# Altium PCB 平衡小车主板PCB.PcbDoc (continued)
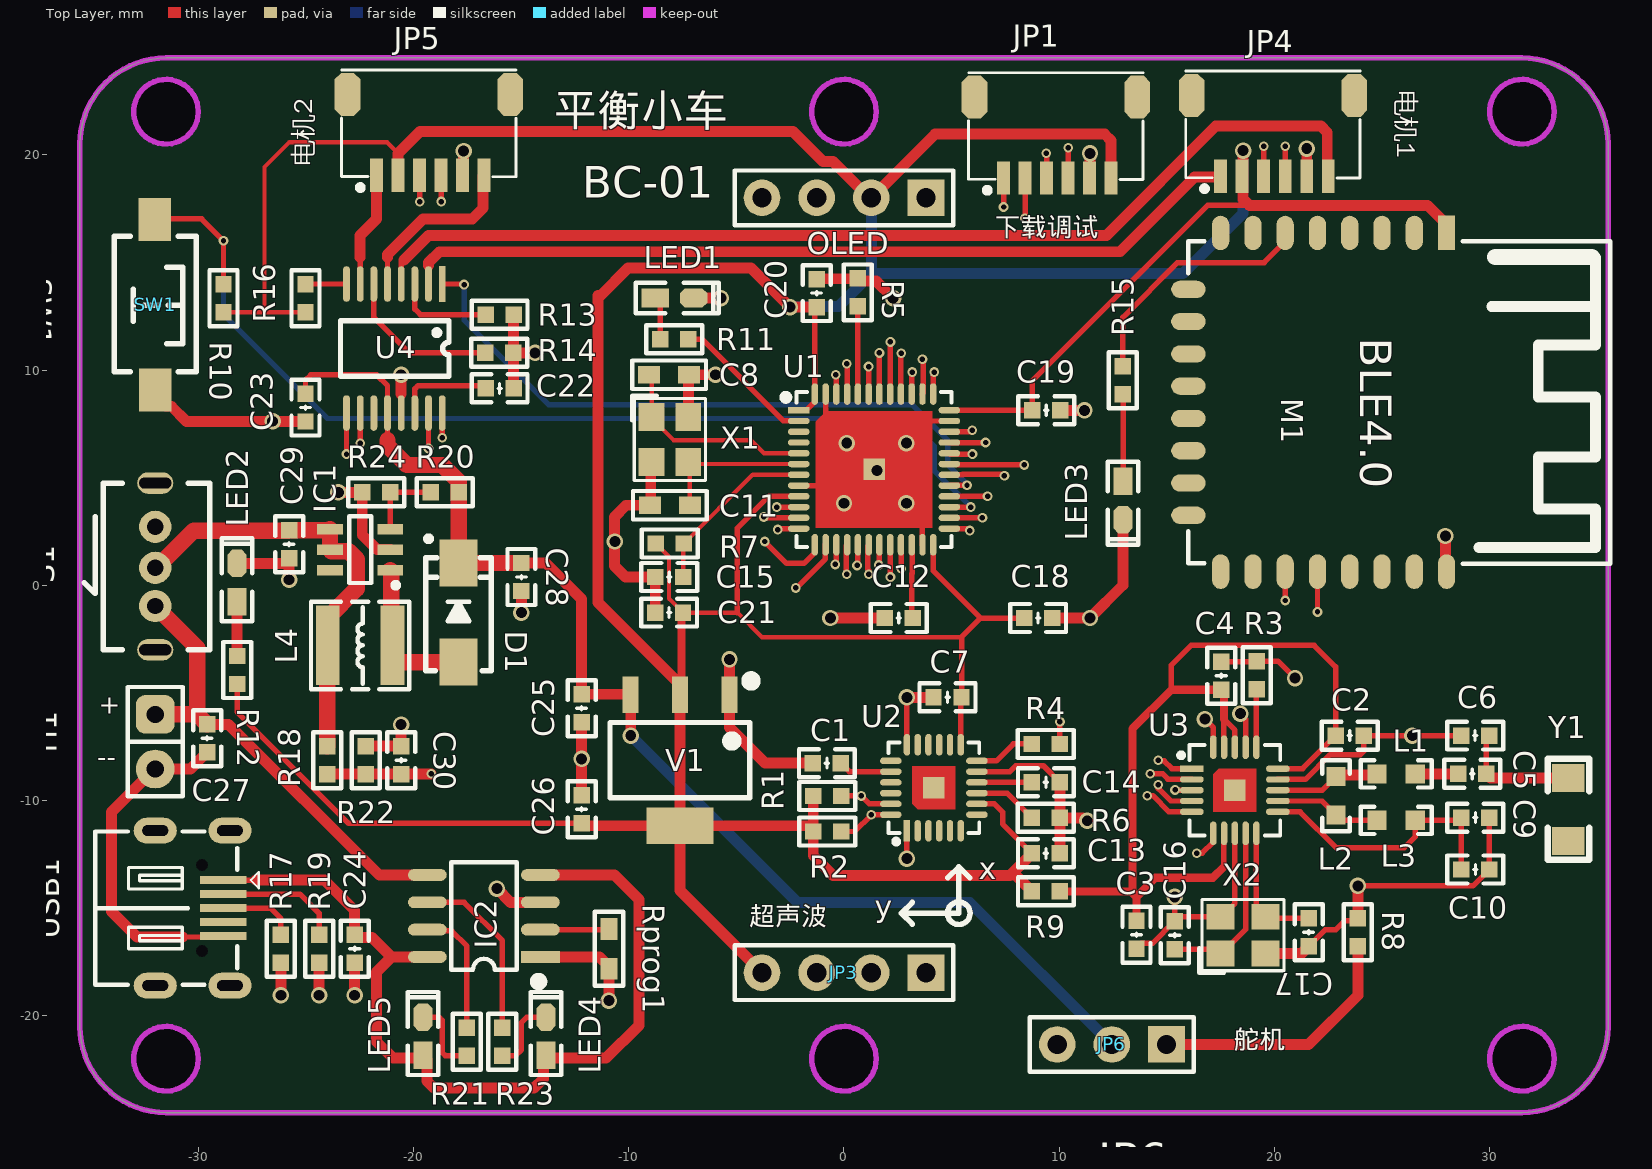
[diagram p0: Top Layer view]
## Footprints (in the part's own frame and the unit in brackets; to place one, negate y for a bottom-side part, rotate by r counter-clockwise, add the part's x,y. Pads: shape width x height; smd on the part's side, far side on the other; paste and mask are expansions set on the pad) (continued)
  silkscreen extent -3.6,-4.25 3.6,3.6, body extent -3.51,-3.51 3.51,3.51, height 0.95
"R 0603_L" [mil] "1/10W贴片电阻                 淘宝ID:黄晶宝石"
  rect 30x30 smd: 1(-25.59,0) 2(25.59,0)
  silkscreen extent -51,-26 51,26, body extent -31,-16 32,16, height 16
"R 0603_M" [mil] "1/10W贴片电阻                             淘宝ID:黄晶宝石"
  rect 40x31.5 smd: 1(-36.5,0) 2(36.5,0)
  silkscreen extent -68,-26 68,26, body extent -31,-16 32,16, height 16
SH1.0-6P [mm]
  rect 0.6x1.55 smd: 1(0,0) 2(1,0) 3(2,0) 4(3,0) 5(4,0) 6(5,0)
  oct 1.2x2 smd: A(-1.346,3.759) B(6.21,3.759)
  silkscreen extent -1.63,-0.7 6.48,4.89
SMA [mm] "4.5x2.6*2.2mm（长宽高，不包括引脚）"
  rect 2.2x1.75 smd: 1(-2.3,0) 2(2.3,0)
  silkscreen extent -2.7,-1.52 3.56,1.52, body extent -2.53,-1.3 2.58,1.3, height 2.15
SOP8_N [mm] "5*6*1.8mm（长宽高）封装库来自淘宝卖家 ID：黄晶宝石"
  rect 1.8x0.55 smd: 1(-2.625,1.905)
  oval 1.8x0.55 smd: 2(-2.625,0.635) 3(-2.625,-0.635) 4(-2.625,-1.905) 5(2.625,-1.905) 6(2.625,-0.635) 7(2.625,0.635) 8(2.625,1.905)
  silkscreen extent -2.69,-2.5 1.52,3.2, body extent -3,-2.5 3,2.5, height 1.9
SOT23-6N [mm] "3x1.6x1.1mm(长宽高)"
  rect 0.5x1.2 smd: 1(-0.95,-1.4) 2(0,-1.4) 3(0.95,-1.4) 4(0.95,1.4) 5(0,1.4) 6(-0.95,1.4)
  silkscreen extent -1.78,-1.78 1.55,0.51, body extent -1.5,-1.4 1.5,1.4, height 1.15
SOT223_L [mm] "6.4x7x1.6mm(长宽高)"
  rect 0.75x1.7 smd: 1(-2.3,-3.048) 2(0,-3.048) 3(2.3,-3.048)
  rect 3.1x1.7 smd: 2(0,3.048)
  silkscreen extent -3.5,-3.88 3.25,1.75, body extent -3.25,-3.51 3.25,3.51, height 1.65
SWITCH_PWR [mm]
  round 1.5 hole 0.75: 1(0,-2.032) 2(0,-3.81) 3(0,-5.715)
  oval 1.676x1 hole 0.5 slot 1.5 at 0 deg: ""(0,0) ""(0,-7.747)
  silkscreen extent -2.54,-7.75 2.41,0, body extent -1.85,-8.06 1.85,0.44, height 6.5
TSSOP-16 [mil] "4.96x4.40x1.00 e=0.65  封装库来自淘宝卖家 ID：黄晶宝石"
  rect 65x12.5 smd: 1(0,0)
  oval 65x12.5 smd: 2(0,-25) 3(0,-50) 4(0,-75) 5(0,-100) 6(0,-125) 7(0,-150) 8(0,-175) 9(236,-175) 10(236,-150) 11(236,-125) 12(236,-100) 13(236,-75) 14(236,-50) 15(236,-25) 16(236,0)
  silkscreen extent 68,-186 169,13, body extent -6,-187 246,9, height 41
"TSW SMD-3*6*2.5" [mm] "3*6*2.5mm"
  rect 2x1.5 smd: 1(-3.996,-0.02) 2(3.937,0)
  silkscreen extent -3.21,-1.9 3.09,1.9, body extent -4,-1.88 4,1.62, height 2.59
USB-MICRO_D [mm] "micro型USB ，6.7*7.5*2.5mm"
  oval 1.2x2 hole 0.5 slot 1.2 at 90 deg: 0(-3.6,3.47) 0(-3.6,0) 0(3.6,3.47) 0(3.6,0)
  round 0 hole 0.55 unplated: 0(-2,2.17) 0(2,2.17)
  rect 0.381x2.15 smd: 1(-1.3,3.16) 2(-0.65,3.16) 3(0,3.16) 4(0.65,3.16) 5(1.3,3.16)
  silkscreen extent -3.56,-2.79 3.56,4.81, body extent -3.99,-2.75 3.99,3.95, height 2.79

## Part data
C1 C7 C8 C11 C12 C13 C14 C15 C18 C19 C20 C21 C22 C23 C24 C25 C26 C27 C28 C29 C30: library part C, "贴片电容", BOM名称=无极性贴片电容, 联系售后=https://shop463601444.taobao.com, 淘宝ID="封装库来自淘宝 ID：黄晶宝石"
D1: "肖特基二极管", BOM名称=肖特基二极管, 封装库来自淘宝 ID：黄晶宝石=https://shop463601444.taobao.com, 属性=40V/1A
H1: "引线焊盘", BOM名称=引线焊盘, 版权归属="封装库来自淘宝 ID：黄晶宝石", 学习资源=https://shop463601444.taobao.com
IC1: "可调升压芯片", BOM名称=可调升压芯片, 版权归属="封装库来自淘宝 ID：黄晶宝石", 学习资源=www.ooocke.com
IC2: "锂电池充电管理", BOM名称=锂电池充电管理, 淘宝ID="封装库来自淘宝 ID：黄晶宝石", 学习资源=https://shop463601444.taobao.com
JP1 JP4 JP5: library part "Header 6", "6P接插件", BOM名称=6P接插件, 版权归属="封装库来自淘宝 ID：黄晶宝石", 学习资源=https://shop463601444.taobao.com
JP3 OLED: library part "Header 4", "4P接插件", BOM名称=4P接插件, 版权归属="封装库来自淘宝 ID：黄晶宝石", 学习资源=https://shop463601444.taobao.com
JP6: library part "Header 3", "3P接插件", BOM名称=3P接插件, 版权归属="封装库来自淘宝 ID：黄晶宝石", 学习资源=https://shop463601444.taobao.com
L1 L2 L3: library part Inductor_1, "电感", Code_IEC=1005, Code_JEITA=0402, LatestRevisionDate=17-Jul-2002, LatestRevisionNote="Re-released for DXP Platform.", PackageReference=0402-A, Published=8-Jun-2000, Publisher="Altium Limited"
L4: library part L-NR, "NR磁胶电感", BOM名称=NR磁胶电感, 版权归属="来自淘宝 ID：黄晶宝石", 联系售后=https://shop463601444.taobao.com
LED1 LED2 LED3 LED4 LED5: library part LED-SMD, "贴片LED", BOM名称=贴片LED, 版权归属="封装库来自淘宝 ID：黄晶宝石", 学习资源=https://shop463601444.taobao.com
M1: "蓝牙4.0透传模块", BOM名称=蓝牙4.0透传模块, 版权归属="封装库来自淘宝 ID：黄晶宝石", 学习资源=https://shop463601444.taobao.com
R1 R2 R4 R5 R6 R7 R10 R11 R12 R13 R14 R15 R16 R17 R18 R19 R20 R21 R22 R23 R24 Rprog1: library part R, "贴片电阻", BOM名称=贴片电阻, 版权归属="来自淘宝 ID：黄晶宝石", 联系售后=https://shop463601444.taobao.com
S1: library part SSW-1P, "1路波动开关", BOM名称=波动开关, 版权归属="封装库来自淘宝 ID：黄晶宝石", 学习资源=www.ooocke.com
SW1: library part "TSW 3x6", "3x6轻触开关", BOM名称=3x6轻触开关, 版权归属="封装库来自淘宝 ID：黄晶宝石", 学习资源=www.ooocke.com
U3: library part nRF24L01
U4: "DRV8833电机驱动芯片2.7v-10.8v"
USB1: "微型USB母座", BOM名称=微型USB母座, 学习资源=https://shop463601444.taobao.com
V1: library part AMS1117, "三端稳压芯片", BOM名称=稳压芯片, 欢迎光临淘宝店铺=https://shop463601444.taobao.com, 淘宝ID="封装库来自淘宝 ID：黄晶宝石"
X1 X2: library part XTAL-4P, "4脚无源晶振", BOM名称=4脚无源晶振, 版权归属=源创客, 学习资源=www.ooocke.com
Y1: library part CHIP_ANTENNA
C2 C3 C4 C5 C6 C9 C10 C16 C17: LatestRevisionDate=17-Jul-2002, LatestRevisionNote="Re-released for DXP Platform.", PackageDescription="Radial Cap, Thru-Hole; 2 Leads; 0.3 in Pin Spacing", PackageReference=RAD-0.3, Published=8-Jun-2000, Publisher="Altium Limited"
R3 R8 R9: LatestRevisionDate=17-Jul-2002, LatestRevisionNote="Re-released for DXP Platform.", PackageDescription="Axial Device, Thru-Hole; 2 Leads; 0.4 in Pin Spacing", PackageReference=AXIAL-0.4, Published=8-Jun-2000, Publisher="Altium Limited"

## Via types
v1: diameter 0.45, hole 0.254, Top Layer to Bottom Layer, tented both sides, 57 vias
v2: diameter 0.762, hole 0.508, Top Layer to Bottom Layer, tented both sides, 42 vias

## Nets (pads, with @x,y where several pads share a name; then routed paths per layer and width w, separated by ;. In a path a pad name is that pad's centre, name@x,y a point inside that pad or via, vN(x,y) a via of type N, cw(c..) or ccw(c..) an arc to the next point about the centre after c; other vN are vias at no path point)
+6V: C23.1 C25.2 C28.2 D1.2 JP6.2 R20.2 U4.12 V1.3 | length 58.7
  Top Layer w0.254: C23.1 -25.019,9.525 -24.765,9.779 -21.717,9.779 -21.209,9.271 -21.209,6.731
  Top Layer w0.508: C28.2 -13.858,1.031 -12.192,-0.635 C25.2 -9.935,-5.065 V1.3 -9.906,-5.094 v2(-9.906,-6.985)
  Top Layer w0.762: -21.209,6.731 -21.209,6.477 -20.32,5.588 -18.669,5.588 -17.892,4.811 R20.2 -17.907,4.303 D1.2 D1.2 C28.2
  Bottom Layer w0.508: v2(-9.906,-6.985) -2.159,-14.732 5.842,-14.732 JP6.2
A1: JP4.3 U1.40 | length 25
  Top Layer w0.254: U1.40 2.647,10.775 v1(2.657,10.785) v1@2.667,10.795 ; JP4.3 v1(19.5,20.389)
  Layer 2 w0.254: v1(2.657,10.785) 6.223,14.351 10.296,14.351 17.154,21.209 19.056,21.209 19.5,20.764 v1(19.5,20.389)
A2: JP5.3 U1.42 | length 32.1
  Top Layer w0.254: v1(-19.717,17.812) JP5.3 ; U1.42@1.647,8.881 1.647,10.791 v1@1.651,10.795
  Layer 2 w0.254: v1(-19.717,17.812) -19.717,20.415 -18.542,21.59 -15.621,21.59 -10.033,16.002 -3.564,16.002 v1(1.647,10.791)
ADC: C30.2 R18.1 R22.2 U1.14 | length 27.9
  Top Layer w0.254: v1(-2.247,-0.127) -2.208,-0.127 -0.862,1.219 -0.862,1.872 U1.14
  Top Layer w0.508: R18.1 C30.2 -19.192,-8.778 v1(-19.177,-8.763)
  Layer 2 w0.254: v1(-19.177,-8.763) -11.938,-1.524 -3.644,-1.524 v1(-2.247,-0.127)
B1: JP4.4 U1.41 | length 27.5
  Top Layer w0.254: U1.41 2.151,8.885 2.151,11.295 v1(2.159,11.303) ; v1@20.447,20.447 v1(20.5,20.394) JP4.4
  Layer 2 w0.254: v1(2.159,11.303) 5.842,14.986 10.033,14.986 16.764,21.717 19.939,21.717 20.5,21.156 v1(20.5,20.394)
B2: JP5.4 U1.43 | length 29.8
  Top Layer w0.254: v1(-18.717,17.828) JP5.4 ; v1(1.143,10.16) 1.147,10.156 U1.43
  Layer 2 w0.254: v1(-18.717,17.828) -18.717,20.399 -18.03,21.086 -15.83,21.086 -10.242,15.498 -4.15,15.498 1.143,10.205 v1(1.143,10.16)
BAT1: C27.2 H1.1 IC2.5 S1.1 | length 21.6
  Top Layer w0.508: C27.2 -28.59,-6.462 -21.59,-13.462 IC2.5
  Top Layer w0.762: H1.1 -30.053,-6 ; S1.1 -30.053,-2.915 -30.053,-6 ; C27.2 -30.053,-6
D+: R17.2 U1.33 | length 47.7
  Top Layer w0.254: U1.33 4.901,6.627 6.573,6.627 v1(6.577,6.631)
  Top Layer w0.508: v2@-26.162,-18.923 R17.2
  Layer 1 w0.254: v2(-26.162,-19.05) -26.162,-16.891 -14.537,-5.266 -9.711,-5.266 -2.218,2.227 -0.44,2.227 3.96,6.627 6.573,6.627 v1(6.577,6.631)
D-: R19.2 U1.32 | length 45.3
  Top Layer w0.254: U1.32 4.932,6.096 v1(5.969,6.096)
  Top Layer w0.508: v2(-24.384,-19.05) R19.2
  Layer 1 w0.254: v2(-24.384,-19.05) -24.384,-15.748 -14.351,-5.715 -9.525,-5.715 -2.032,1.778 -0.254,1.778 4.064,6.096 v1(5.969,6.096)
Echo: JP3.3 U1.25 | length 24.5
  Top Layer w0.254: U1.25 4.906,2.622 5.707,2.622 5.789,2.54 v1(5.842,2.54)
  Layer 2 w0.254: JP3.3 -1.234,-18 5.842,-10.924 v1(5.842,2.54)
GND: C1.1 C7.2 C8.2 C11.2 C12.2 C13.1 C14.1 C15.1 C18.1 C19.1 C20.1 C21.1 C22.1 C23.2 C24.1 C25.1 C26.1 C27.1 C28.1 C29.1 C30.1 H1.2 IC1.2 IC2.1 IC2.3 JP1.5 JP3.1 JP4.5 JP5.5 JP6.1 LED1.2 LED2.2 LED3.2 M1.24 OLED.1 R5.1 R6.2 R8.1 R13.2 R14.2 R22.1 R24.1 Rprog1.1 SW1.2 U1.8 U1.23 U1.35 U1.47 U1.49 U2.1 U2.11 U2.18 U4.13 USB1.5 V1.1 X1.2 X1.4 | length 130.1
  Top Layer w0.254: -30.734,-16.344 -28.884,-16.344 USB1.5 ; U4.13 -20.574,8.89 ; U1.8 -0.83,4.631 -0.762,4.699 ; U1.47 -0.853,7.711 -0.508,7.366 ; v2(2.921,-12.7) 2.921,-11.414 U2.1 ; v2(2.921,-5.207) 2.921,-6.35 2.925,-6.354 U2.18 ; 3.302,3.81 3.647,3.465 U1.23 ; 3.302,7.239 3.694,7.631 U1.35 ; U2.11 7.706,-8.66 7.984,-8.382 9.258,-8.382 C14.1
  Top Layer w0.508: SW1.2 -32,8.813 -31.504,8.317 -31.254,8.317 -30.542,7.605 C23.2 ; -30.734,-16.344 -32.854,-16.344 -34.036,-15.162 -34.036,-10.541 -32.035,-8.54 H1.2 -30.369,-8.54 C27.1 ; LED2.2 -26.02,1.016 C29.1 v2(-25.781,0.254) ; v2(-23.495,4.318) R24.1 -22.382,2.336 -21.701,1.655 -21.083,1.655 IC1.2 ; v2(-22.733,-19.05) C24.1 ; R22.1 C30.1 v2(-20.574,-6.477) ; -20.574,8.89 v2(-20.574,9.779) ; JP5.5 -17.671,19.096 v2(-17.671,20.175) v2@-17.653,20.193 ; v2(-16.129,-14.097) -15.494,-14.732 IC2.3 ; R14.2 R14.2@-15.352,10.795 ; C22.1 R14.2@-15.352,10.795 ; R13.2 R14.2@-15.352,10.795 ; v2(-14.986,-1.27) C28.1 ; v2(-14.351,10.795) R14.2@-15.352,10.795 ; IC2.1 -11.36,-17.272 -10.922,-17.71 Rprog1.1 v2(-10.922,-19.304) ; C26.1 C25.1 ; v2@-10.668,2.032 -10.668,3.175 -10.126,3.717 C11.2 -8.978,3.756 -8.978,5.676 X1.2 ; v2(-10.643,2.032) -10.668,2.007 -10.668,0.889 -10.16,0.381 -8.778,0.381 -8.771,0.373 -8.771,-1.263 C21.1 ; X1.4 -7.22,7.834 -7.22,9.76 C8.2 v2(-5.969,9.779) ; LED1.2 v2(-5.722,13.342) v2@-5.715,13.335 ; v2@-5.334,-3.429 v2(-5.32,-3.443) V1.1 -5.32,-6.618 -3.671,-8.267 C1.1 ; C20.1 -1.255,14.239 0.62,14.239 R5.1 0.762,14.127 1.494,14.127 v2(2.286,13.335) ; 0.889,-1.524 v2(-0.635,-1.524) C12.2 ; v2(2.921,-5.207) C7.2 ; C18.1 v2(11.43,-1.524) 12.954,0 12.954,3.035 LED3.2 ; C13.1 R6.2 ; C14.1 R6.2 ; C19.1 v2(11.176,8.128) ; v2(11.303,-10.944) 11.234,-10.944 11.104,-10.814 10.159,-10.814 10.152,-10.807 R6.2 ; JP1.5 11.43,18.939 v2(11.43,20.066) ; JP6.1 21.59,-21.336 23.876,-19.05 R8.1 ; v2@21.463,20.32 v2(21.5,20.283) JP4.5 ; v2(27.94,2.286) 27.94,0.69 M1.24
  other v2: -12.192,-8.064 0,3.81 2.896,3.81 1.524,5.334 0.127,6.604 2.896,6.604 -26.543,7.62
I2C1_SCL: OLED.3 U1.45 | length 9.7
  Top Layer w0.254: v1(0.127,10.287) 0.147,10.267 U1.45
  Layer 1 w0.254: OLED.3 0.127,16.603 v1(0.127,10.287)
I2C1_SDA: OLED.4 U1.46 | length 10.6
  Top Layer w0.254: v1(-0.381,9.779) -0.353,9.751 U1.46
  Layer 1 w0.254: OLED.4 -0.381,14.571 v1(-0.381,9.779)
I2C2_SCL: R1.1 U1.21 U2.23 | length 14.9
  Top Layer w0.254: R1.1 v1(0.807,-9.791) 1.176,-10.16 U2.23 ; U1.21 2.667,1.861 v1(2.667,0.762)
  Layer 2 w0.254: v1(0.807,-9.791) 0.807,-4.273 2.667,-2.413 v1(2.667,0.762)
I2C2_SDA: R2.1 U1.39 U2.24 | length 25.4
  Top Layer w0.254: R2.1 0.496,-11.442 v1(1.269,-10.669) 2.166,-10.669 U2.24 ; U1.39 3.147,9.878 v1(3.175,9.906)
  Layer 2 w0.254: v1(1.269,-10.669) 1.778,-10.16 1.778,-4.739 3.683,-2.834 3.683,9.398 v1(3.175,9.906)
INT: R4.1 U2.12 | length 2.9
  Top Layer w0.254: U2.12 7.08,-8.16 7.874,-7.366 8.705,-7.366 R4.1
KEY1: R10.2 SW1.1 U1.27 | length 49.2
  Top Layer w0.254: SW1.1 -31.998,17.018 -29.845,17.018 v1(-28.829,16.002) R10.2 ; U1.27 v1(5.894,3.631)
  Bottom Layer w0.254: v1(-28.829,16.002) -28.829,12.573 -24.003,7.747 -19.431,7.747 2.912,7.747 4.191,6.468 4.191,5.334 v1(5.894,3.631)
LED0: R11.2 U1.2 | length 6.7
  Top Layer w0.254: R11.2 -6.604,11.43 -2.814,7.64 -2.112,7.64 U1.2
MOTOR1+: JP4.1 U4.2 | length 39.5
  Top Layer w0.254: U4.2 -19.304,14.859
  Top Layer w0.508: -19.304,14.859 -19.304,14.986 -18.796,15.494 12.827,15.494 16.291,18.958 17.458,18.958 JP4.1
MOTOR1-: JP4.6 U4.4 | length 48.8
  Top Layer w0.254: U4.4 -20.562,14.008 -20.562,14.998 -20.447,15.113
  Top Layer w0.508: -20.447,15.113 -19.304,16.256 12.192,16.256 17.272,21.336 22.156,21.336 22.454,21.038 22.454,19.046 JP4.6
MOTOR2+: JP5.1 U4.7 | length 5.4
  Top Layer w0.254: U4.7 -22.479,15.24
  Top Layer w0.508: -22.479,15.24 -22.479,16.256 -21.717,17.018 JP5.1
MOTOR2-: JP5.6 U4.5 | length 8.3
  Top Layer w0.254: U4.5 -21.209,15.24
  Top Layer w0.508: -21.209,15.24 -21.209,15.367 -19.558,17.018 -17.272,17.018 -16.763,17.527 -16.763,19.004 JP5.6
NetC1_2: C1.2 U2.20 | length 2.5
  Top Layer w0.254: C1.2 0.25,-8.66 U2.20
NetC5_1: C5.1 L1.2 | length 2
  Top Layer w0.508: L1.2 C5.1
NetC5_2: C5.2 C6.2 Y1.1 | length 5.7
  Top Layer w0.254: C5.2 29.845,-7.112 C6.2
  Top Layer w0.508: C5.2 30.036,-8.954 Y1.1
NetC8_1: C8.1 U1.5 X1.1 | length 9.6
  Top Layer w0.203: C8.1 -8.939,9.663 X1.1 -8.939,7.765 -7.919,6.745 -4.332,6.745 -3.718,6.131 U1.5
NetC9_2: C9.2 C10.2 L3.2 U3.11 | length 12.7
  Top Layer w0.254: U3.11 21.193,-10.525 22.86,-12.192 26.035,-12.192 26.543,-11.684 L3.2 28.56,-10.922 C9.2 C10.2
NetC11_1: C11.1 U1.6 X1.3 | length 7.1
  Top Layer w0.203: X1.3 -7.155,5.631 U1.6 ; C11.1 X1.3@-7.162,5.638
NetC12_1: C12.1 U1.22 | length 3.4
  Top Layer w0.254: U1.22 3.171,1.857 3.171,0.553 3.147,0.529 3.147,-1.481 C12.1
NetC14_2: C14.2 U2.10 | length 2.6
  Top Layer w0.254: U2.10 8.728,-9.16 C14.2
NetC15_2: C15.2 R7.1 U1.7 | length 8.2
  Top Layer w0.203: C15.2 -7.463,1.915 R7.1 -4.247,5.131 U1.7
NetC16_2: C16.2 U3.9 X2.1 | length 8.3
  Top Layer w0.254: C16.2 17.292,-16.906 X2.1 17.542,-17.106 18.661,-15.987 U3.9
NetC17_2: C17.2 U3.10 X2.3 | length 6.1
  Top Layer w0.254: U3.10 19.161,-14.975 X2.3 19.665,-15.479 C17.2
NetC22_2: C22.2 U4.14 | length 4.5
  Top Layer w0.254: U4.14 -19.939,9.122 -19.79,9.271 -16.779,9.271 C22.2
NetD1_1: D1.1 IC1.1 L4.1 | length 7.3
  Top Layer w0.762: IC1.1 -21.029,0.651 -21.029,-3.351 -20.81,-3.57 D1.1
NetIC1_3: IC1.3 R20.1 R24.2 | length 3.6
  Top Layer w0.254: IC1.3 -21.079,4.315 R24.2 R20.1
NetIC2_2: IC2.2 Rprog1.2 | length 3.2
  Top Layer w0.254: IC2.2 -10.96,-16.002 Rprog1.2
NetIC2_6: IC2.6 R23.2 | length 8.3
  Top Layer w0.254: IC2.6 -17.653,-14.732 -15.875,-16.51 R23.2
NetIC2_7: IC2.7 R21.1 | length 5.9
  Top Layer w0.254: IC2.7 -19.298,-16.059 -18.231,-16.059 -17.526,-16.764 R21.1
NetL1_1: L1.1 L2.2 U3.13 | length 4.9
  Top Layer w0.254: U3.13 22.225,-9.525 L2.2
  Top Layer w0.508: L2.2 22.924,-8.826 24.701,-8.826 L1.1
NetL2_1: L2.1 L3.1 U3.12 | length 5
  Top Layer w0.254: U3.12 22.217,-10.025 L2.1 23.114,-10.922 L3.1
NetLED1_1: LED1.1 R11.1 | length 2
  Top Layer w0.254: LED1.1 -8.539,13.118 R11.1
NetLED2_1: LED2.1 R12.1 | length 2.5
  Top Layer w0.508: LED2.1 -28.197,-0.765 -28.197,-3.284 R12.1
NetLED3_1: LED3.1 R15.2 | length 4.1
  Top Layer w0.254: R15.2 12.967,8.862 LED3.1
NetLED4_2: LED4.2 R23.1 | length 3.5
  Top Layer w0.254: R23.1 -15.255,-21.859 -14.986,-21.59 -14.986,-20.32 -14.732,-20.066 LED4.2
NetLED5_2: LED5.2 R21.2 | length 3.7
  Top Layer w0.254: LED5.2 -18.818,-20.066 -18.669,-20.215 -18.669,-21.71 -18.52,-21.859 R21.2
NetM1_6: M1.6 R15.1 | length 11.7
  Top Layer w0.254: R15.1 12.954,12.446 15.494,14.986 19.516,14.986 20.5,15.97 M1.6
NetR3_1: R3.1 U3.16 | length 2.7
  Top Layer w0.254: U3.16 19.161,-4.842 R3.1
NetR4_2: R4.2 U1.38 | length 23.3
  Top Layer w0.254: U1.38 3.679,8.913 3.679,10.473 v1(3.647,10.505) v1@3.683,10.541 ; R4.2 10.017,-6.366 v1(10.033,-6.35)
  Layer 2 w0.254: v1(3.647,10.505) 5.497,10.505 10.033,5.969 v1(10.033,-6.35)
NetR5_2: R5.2 U1.44 | length 4.1
  Top Layer w0.254: R5.2 0.635,9.255 0.647,9.243 U1.44
NetR6_1: R6.1 U2.9 | length 3
  Top Layer w0.254: U2.9 7.585,-9.66 R6.1
NetR13_1: R13.1 U4.3 | length 4.6
  Top Layer w0.254: U4.3 -19.939,12.827 -19.685,12.573 R13.1
NetR14_1: R14.1 U4.6 | length 7.4
  Top Layer w0.254: U4.6 -21.844,12.446 -20.193,10.795 R14.1
NetR16_2: R16.2 U4.8 | length 1.9
  Top Layer w0.254: R16.2 -25.008,13.995 U4.8
NetR17_1: R17.1 USB1.3 | length 3.6
  Top Layer w0.254: USB1.3 -26.656,-15 -26.162,-15.494 R17.1
NetR19_1: R19.1 USB1.2 | length 5.8
  Top Layer w0.254: USB1.2 -25.274,-14.35 -24.384,-15.24 R19.1
nSLEEP: U1.29 U4.1 | length 30.8
  Top Layer w0.254: U4.1 -17.678,13.995 v1(-17.653,13.97) ; U1.29 4.902,4.636 5.71,4.636 v1(5.715,4.641)
  Bottom Layer w0.254: v1(-17.653,13.97) -17.653,12.319 -13.716,8.382 3.175,8.382 4.826,6.731 4.826,5.588 5.715,4.699 v1(5.715,4.641)
PWM: JP6.3 U1.28 | length 28.6
  Top Layer w0.254: U1.28 4.901,4.135 6.667,4.135 v1(6.671,4.131)
  Layer 2 w0.254: v1(6.671,4.131) 8.509,2.293 8.509,-19.939 JP6.3
PWM1: U1.10 U4.16 | length 19
  Top Layer w0.254: v1(-18.669,6.858) U4.16 ; v1(-3.123,3.631) U1.10
  Layer 1 w0.254: v1(-18.669,6.858) -17.982,6.171 -11.107,6.171 -8.612,3.676 -3.518,3.676 -3.511,3.669 -3.161,3.669 v1(-3.123,3.631)
PWM2: U1.11 U4.15 | length 20.2
  Top Layer w0.254: v1(-19.304,6.35) U4.15 ; v1(-3.727,3.171) -3.682,3.127 -2.107,3.127 U1.11
  Layer 1 w0.254: v1(-19.304,6.35) -18.625,5.671 -11.314,5.671 -8.774,3.131 -6.297,3.131 -6.257,3.171 v1(-3.727,3.171)
PWM3: U1.12 U4.10 | length 23.5
  Top Layer w0.254: v1(-22.479,6.604) U4.10 ; v1(-3.076,2.585) -3.031,2.631 U1.12
  Layer 1 w0.254: v1(-22.479,6.604) -21.046,5.171 -11.521,5.171 -8.935,2.585 v1(-3.076,2.585)
PWM4: U1.13 U4.9 | length 26.3
  Top Layer w0.254: v1(-23.114,6.096) U4.9 ; v1(-3.683,2.032) -2.667,1.016 -1.868,1.016 -1.353,1.531 U1.13
  Layer 1 w0.254: v1(-23.114,6.096) -21.59,4.572 -11.769,4.572 -9.229,2.032 v1(-3.683,2.032)
RF_3V3: C2.1 C3.1 C4.1 R9.2 U3.7 U3.15 U3.18 U3.19 | length 44.1
  Top Layer w0.254: 15.21,-4.856 15.21,-3.713 16.129,-2.794 21.844,-2.794 22.845,-3.795 C2.1 21.305,-8.525 U3.15 ; 17.653,-13.081 17.653,-11.533 U3.7 ; U3.19 17.653,-7.517 17.653,-6.223 18.161,-6.731 U3.18
  Top Layer w0.381: R9.2 13.335,-14.224 13.589,-14.478 ; C3.1 13.589,-14.478 ; 17.653,-13.081 17.145,-13.589 14.478,-13.589 13.589,-14.478 ; 17.653,-6.223 17.653,-4.983 C4.1 15.21,-4.856 13.402,-6.664 13.402,-14.291 13.589,-14.478
RF_CE: U1.19 U3.1 | length 19.8
  Top Layer w0.254: v1(1.617,0.94) 1.647,0.97 U1.19 ; v1(14.605,-8.128) 14.643,-8.166 14.871,-8.166 15.23,-8.525 U3.1
  Layer 1 w0.254: v1(1.617,0.94) 1.655,0.902 1.655,0.172 9.955,-8.128 v1(14.605,-8.128)
RF_CSN: U1.18 U3.2 | length 20.6
  Top Layer w0.254: v1(1.147,0.512) 1.147,0.697 1.112,0.731 1.112,1.846 U1.18 ; v1(14.224,-8.763) 14.228,-8.767 14.814,-8.767 15.053,-9.006 15.591,-9.006 15.601,-9.016 16.152,-9.016 U3.2
  Layer 1 w0.254: v1(1.147,0.512) 1.248,0.411 1.248,0.004 10.015,-8.763 v1(14.224,-8.763)
RF_GND: C2.2 C3.2 C4.2 C6.1 C9.1 C10.1 C16.1 C17.1 R3.2 R8.2 U3.8 U3.14 U3.17 U3.20 X2.2 X2.4 | length 41.8
  Top Layer w0.254: C3.2 13.843,-16.637 14.336,-16.637 C16.1 ; v2(15.367,-14.478) C16.1 ; v2(16.764,-6.223) 17.161,-6.62 U3.20 ; C4.2 19.147,-3.556 R3.2 20.163,-3.526 v2(20.955,-4.318) ; U3.8 18.161,-14.787 17.542,-15.406 X2.4 15.567,-15.406 C16.1 ; v2(18.415,-5.969) 18.661,-6.215 U3.17 ; U3.14 21.441,-9.025 22.592,-7.874 23.996,-7.874 24.145,-7.725 C2.2 C6.1 ; C17.1 22.367,-16.002 22.86,-16.002 23.263,-15.599 23.756,-15.599 R8.2 ; v2(23.876,-13.97) 29.225,-13.97 C10.1 C9.1
  Top Layer w0.508: X2.2 21.263,-17.106 C17.1 ; R8.2 v2(23.876,-13.97)
  other v2: 26.408,-6.985
RF_IRQ: U1.20 U3.6 | length 24.4
  Top Layer w0.254: U1.20 2.142,1.876 2.159,1.86 v1(2.159,0.381) ; v1(16.383,-12.446) 16.64,-12.446 17.161,-11.925 U3.6
  Layer 1 w0.254: v1(2.159,0.381) 2.184,0.381 10.189,-7.624 14.863,-7.624 16.002,-8.763 16.002,-12.065 v1(16.383,-12.446)
RF_MISO: U1.16 U3.5 | length 22.3
  Top Layer w0.254: v1(0.127,0.508) 0.104,0.531 0.104,1.838 U1.16 ; v1(14.097,-9.779) 14.351,-9.779 15.097,-10.525 U3.5
  Layer 1 w0.254: v1(0.127,0.508) 0.171,0.464 0.171,-0.069 9.881,-9.779 v1(14.097,-9.779)
RF_MOSI: U1.17 U3.4 | length 21.7
  Top Layer w0.254: v1(0.608,0.918) 0.647,0.957 U1.17 ; v1(14.605,-9.271) 14.605,-9.447 15.183,-10.025 U3.4
  Layer 1 w0.254: v1(0.608,0.918) 0.643,0.884 0.643,0.035 9.945,-9.267 14.601,-9.267 v1(14.605,-9.271)
RF_SCK: U1.15 U3.3 | length 23.1
  Top Layer w0.254: v1(-0.401,0.967) -0.401,1.02 -0.362,1.058 -0.362,1.872 U1.15 ; v1(15.382,-9.51) 15.389,-9.518 16.154,-9.518 U3.3
  Layer 1 w0.254: v1(-0.401,0.967) -0.43,0.937 -0.43,-0.042 9.811,-10.283 14.609,-10.283 v1(15.382,-9.51)
SWCLK: JP1.4 U1.37 | length 17.6
  Top Layer w0.254: U1.37 4.156,8.89 4.156,9.871 v1(4.191,9.906) ; JP1.4 v1(10.414,20.32)
  Layer 1 w0.254: v1(4.191,9.906) 5.334,11.049 5.334,18.542 7.366,20.574 10.16,20.574 v1(10.414,20.32)
SWIO: JP1.3 U1.34 | length 17.5
  Top Layer w0.254: U1.34 5.84,7.131 5.91,7.202 v1(5.963,7.202) 5.963,7.118 v1@5.969,7.112 ; v1(9.398,20.066) 9.414,20.05 JP1.3
  Layer 1 w0.254: v1(5.963,7.202) 5.963,18.155 7.874,20.066 v1(9.398,20.066)
Trig: JP3.2 U1.26 | length 24.8
  Top Layer w0.254: U1.26 4.901,3.127 6.429,3.127 v1(6.433,3.131)
  Layer 2 w0.254: JP3.2 1.27,-16.383 6.433,-11.22 v1(6.433,3.131)
USART1_RX: JP1.2 M1.19 U1.31 | length 33.3
  Top Layer w0.254: U1.31 5.259,5.631 5.302,5.588 v1(8.382,5.588) ; v1@8.382,17.018 v1(8.414,17.05) JP1.2 ; v1@20.447,-0.762 v1(20.5,-0.709) M1.19
  Layer 1 w0.254: v1(8.414,17.05) 8.398,17.034 8.398,5.604 v1(8.382,5.588) 11.43,5.588 18.034,-1.016 20.193,-1.016 v1(20.5,-0.709)
USART1_TX: JP1.1 M1.20 U1.30 | length 35.8
  Top Layer w0.254: U1.30 4.906,5.14 5.5,5.14 5.506,5.146 7.342,5.146 7.404,5.084 v1(7.457,5.084) ; v1@7.366,17.526 v1(7.414,17.574) JP1.1 ; v1@21.971,-1.27 v1(22,-1.241) M1.20
  Layer 1 w0.254: v1(7.414,17.574) 7.435,17.553 7.435,5.105 7.46,5.08 11.231,5.08 17.827,-1.516 21.725,-1.516 v1(22,-1.241)
V3.3: C7.1 C13.2 C18.2 C19.2 C20.2 C21.2 C26.2 JP1.6 JP3.4 JP4.2 JP5.2 M1.1 OLED.2 R1.2 R2.2 R7.2 R9.1 R10.1 R12.2 R16.1 U1.1 U1.9 U1.24 U1.36 U1.48 U2.8 U2.13 V1.2 | length 258.6
  Top Layer w0.203: R10.1 -26.924,12.685 ; R16.1 -26.924,12.685 ; -20.717,20.066 -21.225,20.574 -25.781,20.574 -26.924,19.431 -26.924,12.685 ; R7.2 -8.128,1.328 -8.128,-0.62 C21.2 -4.953,-1.27 -3.81,-2.413 5.461,-2.413
  Top Layer w0.254: R12.2 -28.194,-5.888 -26.241,-7.841 -23.018,-11.064 C26.2 ; -4.953,-1.27 -4.953,2.659 -3.476,4.135 -2.107,4.135 U1.9 ; U1.1 -1.753,8.131 -1.353,8.531 U1.48 -1.353,12.841 C20.2 ; U1.24 4.147,0.679 6.35,-1.524 ; U1.36 8.745,8.131 C19.2 8.748,9.51 16.891,17.653 18.844,17.653 ; U2.13 5.425,-5.243 C7.1 5.461,-2.413 6.35,-1.524 ; U2.8 6.985,-10.16 7.366,-10.541 7.366,-11.092 C13.2 ; C18.2 6.35,-1.524
  Top Layer w0.381: V1.2@-7.549,-5.009 -7.549,-1.341 C21.2
  Top Layer w0.508: JP5.2 -20.717,20.066 -19.701,21.082 -2.377,21.082 -0.984,19.688 -0.511,19.688 1.177,18 OLED.2 4.225,20.955 12.116,20.955 12.414,20.657 JP1.6 ; C26.2 -12.08,-11.176 V1.2@-7.62,-11.176 ; V1.2@-7.62,-5.009 -7.62,-4.605 -11.43,-0.795 -11.43,13.462 -11.303,13.462 -10.033,14.732 -4.318,14.732 v2(-2.51,12.924) C20.2 ; V1.2@-7.549,-5.009 -7.62,-5.08 V1.2@-7.62,-11.176 ; JP3.4 -7.62,-14.19 V1.2@-7.62,-11.176 ; R1.2 R2.2 ; R9.1 7.971,-13.462 7.728,-13.462 ; C13.2 7.728,-13.462 ; v2(18.542,20.193) 18.542,19.042 JP4.2 18.546,18.954 18.546,17.951 18.844,17.653 27.117,17.653 28,16.77 M1.1 ; V1.2@-7.62,-11.176 -1.694,-11.176 R2.2 ; R2.2 -1.428,-12.563 -0.504,-13.487 7.703,-13.487 7.728,-13.462
  Bottom Layer w0.508: v2(-2.51,12.924) -2.48,12.954 -0.254,12.954 1.27,14.478 ; OLED.2 1.27,14.478 ; v2(18.542,20.193) 18.542,17.272 15.748,14.478 1.27,14.478
VBAT: C29.2 IC1.4 IC1.5 L4.2 R18.2 S1.2 | length 20.5
  Top Layer w0.762: S1.2 -31.946,0.81 -30.216,2.54 -25.796,2.54 C29.2 -23.925,2.555 IC1.4 IC1.5 -23.814,1.586 -23.016,1.586 -22.644,1.214 -22.644,-0.159 -23.979,-1.494 L4.2 -24.003,-2.818 R18.2
VCC: C24.2 IC2.4 IC2.8 LED4.1 LED5.1 USB1.1 | length 42.4
  Top Layer w0.254: USB1.1@-28.777,-13.637 USB1.1 -27.32,-13.7
  Top Layer w0.508: -27.32,-13.7 -24.146,-13.7 -22.733,-15.113 C24.2 -22.606,-16.368 -21.921,-16.368 -21.017,-17.272 ; IC2.8 -21.017,-17.272 ; IC2.4 -10.668,-13.462 -9.525,-14.605 -9.525,-20.447 -11.049,-21.971 -13.963,-21.971 -13.97,-21.964 -13.97,-22.943 -14.395,-23.368 -19.05,-23.368 -19.374,-23.044 -19.374,-22.034 LED5.1 -19.692,-21.971 -20.955,-21.971 -21.717,-21.209 -21.717,-17.972 -21.017,-17.272
pads on no net: IC1.6 JP1.A JP1.B JP4.A JP4.B JP5.A JP5.B M1.2 M1.3 M1.4 M1.5 M1.7 M1.8 M1.9 M1.10 M1.11 M1.12 M1.13 M1.14 M1.15 M1.16 M1.17 M1.18 M1.21 M1.22 M1.23 S1. S1.3 U1.3 U1.4 U2.2 U2.3 U2.4 U2.5 U2.6 U2.7 U2.14 U2.15 U2.16 U2.17 U2.19 U2.21 U2.22 U2.25 U3.21 U4.11 USB1.0 USB1.4 Y1.2

## Polygon pours and split planes (outlines as drawn)
GND on Bottom Layer "NONET_L01_P-001" (solid, remove dead copper, pour order 1): -35.687,26.035 -35.687,-25.527 33.528,-25.527 36.449,-22.606 36.449,26.543
RF_GND on Bottom Layer "NONET_L01_P-001" (solid, remove dead copper, pour order 0): 12.954,-2.286 12.954,-18.034 31.496,-18.034 31.496,-2.286

## Keep-outs
Keep-Out Layer:
  circle w0.254: c0,-22 r1.5
  circle w0.254: c0,22 r1.5
  circle w0.254: c31.5,-22 r1.5
  circle w0.254: c31.5,22 r1.5
  circle w0.254: c-31.5,22 r1.5
  circle w0.254: c-31.5,-22 r1.5
  lines w0.254: -35.5,-20.513 ccw(c-31.5,-20.5) -31.487,-24.5 31.487,-24.5 ccw(c31.5,-20.5) 35.5,-20.513 35.5,20.513 ccw(c31.5,20.5) 31.487,24.5 -31.487,24.5 ccw(c-31.5,20.5) -35.5,20.513 -35.5,-20.513

## Other copper
Bottom Layer:
  pour cut-out: 29.083,18.669 29.083,-2.032 35.687,-2.032 35.687,18.669
  pour cut-out: 31.496,-2.032 35.687,-2.032 35.687,-18.415 31.618,-18.415 31.496,-18.293

## Silkscreen, mask and mechanical layers (free items; w line width, h text height)
Top Overlay:
  circle w0.254: c5.334,-15.24 r0.524
  lines w0.254: -35.306,0.127 -34.798,-0.381 -34.798,3.175 ; 3.175,-15.748 2.667,-15.24 ; 3.175,-14.732 2.667,-15.24 ; 4.826,-13.589 5.334,-13.081 ; 5.842,-13.589 5.334,-13.081 ; 2.667,-15.24 5.334,-15.24 5.334,-13.081
  text "电机1" at 25.414,22.993 h1.52 r270
  text "平衡小车" at -13.482,20.858 h2.54
  text "电机2" at -24.398,19.476 h1.52 r90
  text "BC-01" at -12.157,17.521 h2.54
  text "下载调试" at 6.995,15.904 h1.52
  text "+" at -34.631,-6.281 h1.52
  text "--" at -34.701,-8.703 h1.52
  text "x" at 6.265,-13.657 h1.02
  text "y" at 1.439,-15.435 h1.02
  text "超声波" at -4.403,-16.111 h1.52
  text "舵机" at 18.119,-21.83 h1.52
Bottom Overlay:
  text "MOT2+" at -22.581,17.779 h0.76 r90
  text "MOT1+" at 16.662,17.716 h0.76 r90
  text "MOT2-" at -15.342,17.525 h0.76 r90
  text "MOT1-" at 23.901,17.462 h0.76 r90
  text "GND" at -16.866,17.145 h0.76 r90
  text "TX" at 6.629,17.145 h0.76 r90
  text "CLK" at 10.693,17.145 h0.76 r90
  text "GND" at 12.217,17.145 h0.76 r90
  text "GND" at 22.377,17.145 h0.76 r90
  text "WIO" at 9.296,17.081 h0.76 r90
  text "V3.3" at 13.741,17.081 h0.76 r90
  text "RX" at 8.026,17.018 h0.76 r90
  text "V3.3" at -21.057,16.954 h0.76 r90
  text "V3.3" at 18.186,16.954 h0.76 r90
  text "A2" at -19.787,16.764 h0.76 r90
  text "B2" at -18.39,16.764 h0.76 r90
  text "A1" at 19.456,16.637 h0.76 r90
  text "B1" at 20.853,16.637 h0.76 r90
  text "SCL" at -0.737,16.467 h1.02 r90
  text "GND" at 4.343,16.467 h1.02 r90
  text "V3.3" at 1.93,16.382 h1.02 r90
  text "SDA" at -3.404,16.34 h1.02 r90
  text "Echo" at -0.864,-12.743 h1.02 r90
  text "V3.3" at -3.531,-12.828 h1.02 r90
  text "Trig" at 1.803,-12.828 h1.02 r90
  text "GND" at 4.47,-13.505 h1.02 r90
  text "PWM" at 10.312,-16.68 h1.02 r90
  text "GND" at 15.519,-16.934 h1.02 r90
  text "6V" at 12.979,-17.188 h1.02 r90

## Text inside footprints (layer, text, board x,y; h text height)
M1: Top Overlay "BLE4.0" at 23.5,11.5 h2.54 r270